# Allegro board MK60_PACK_V20A.brd
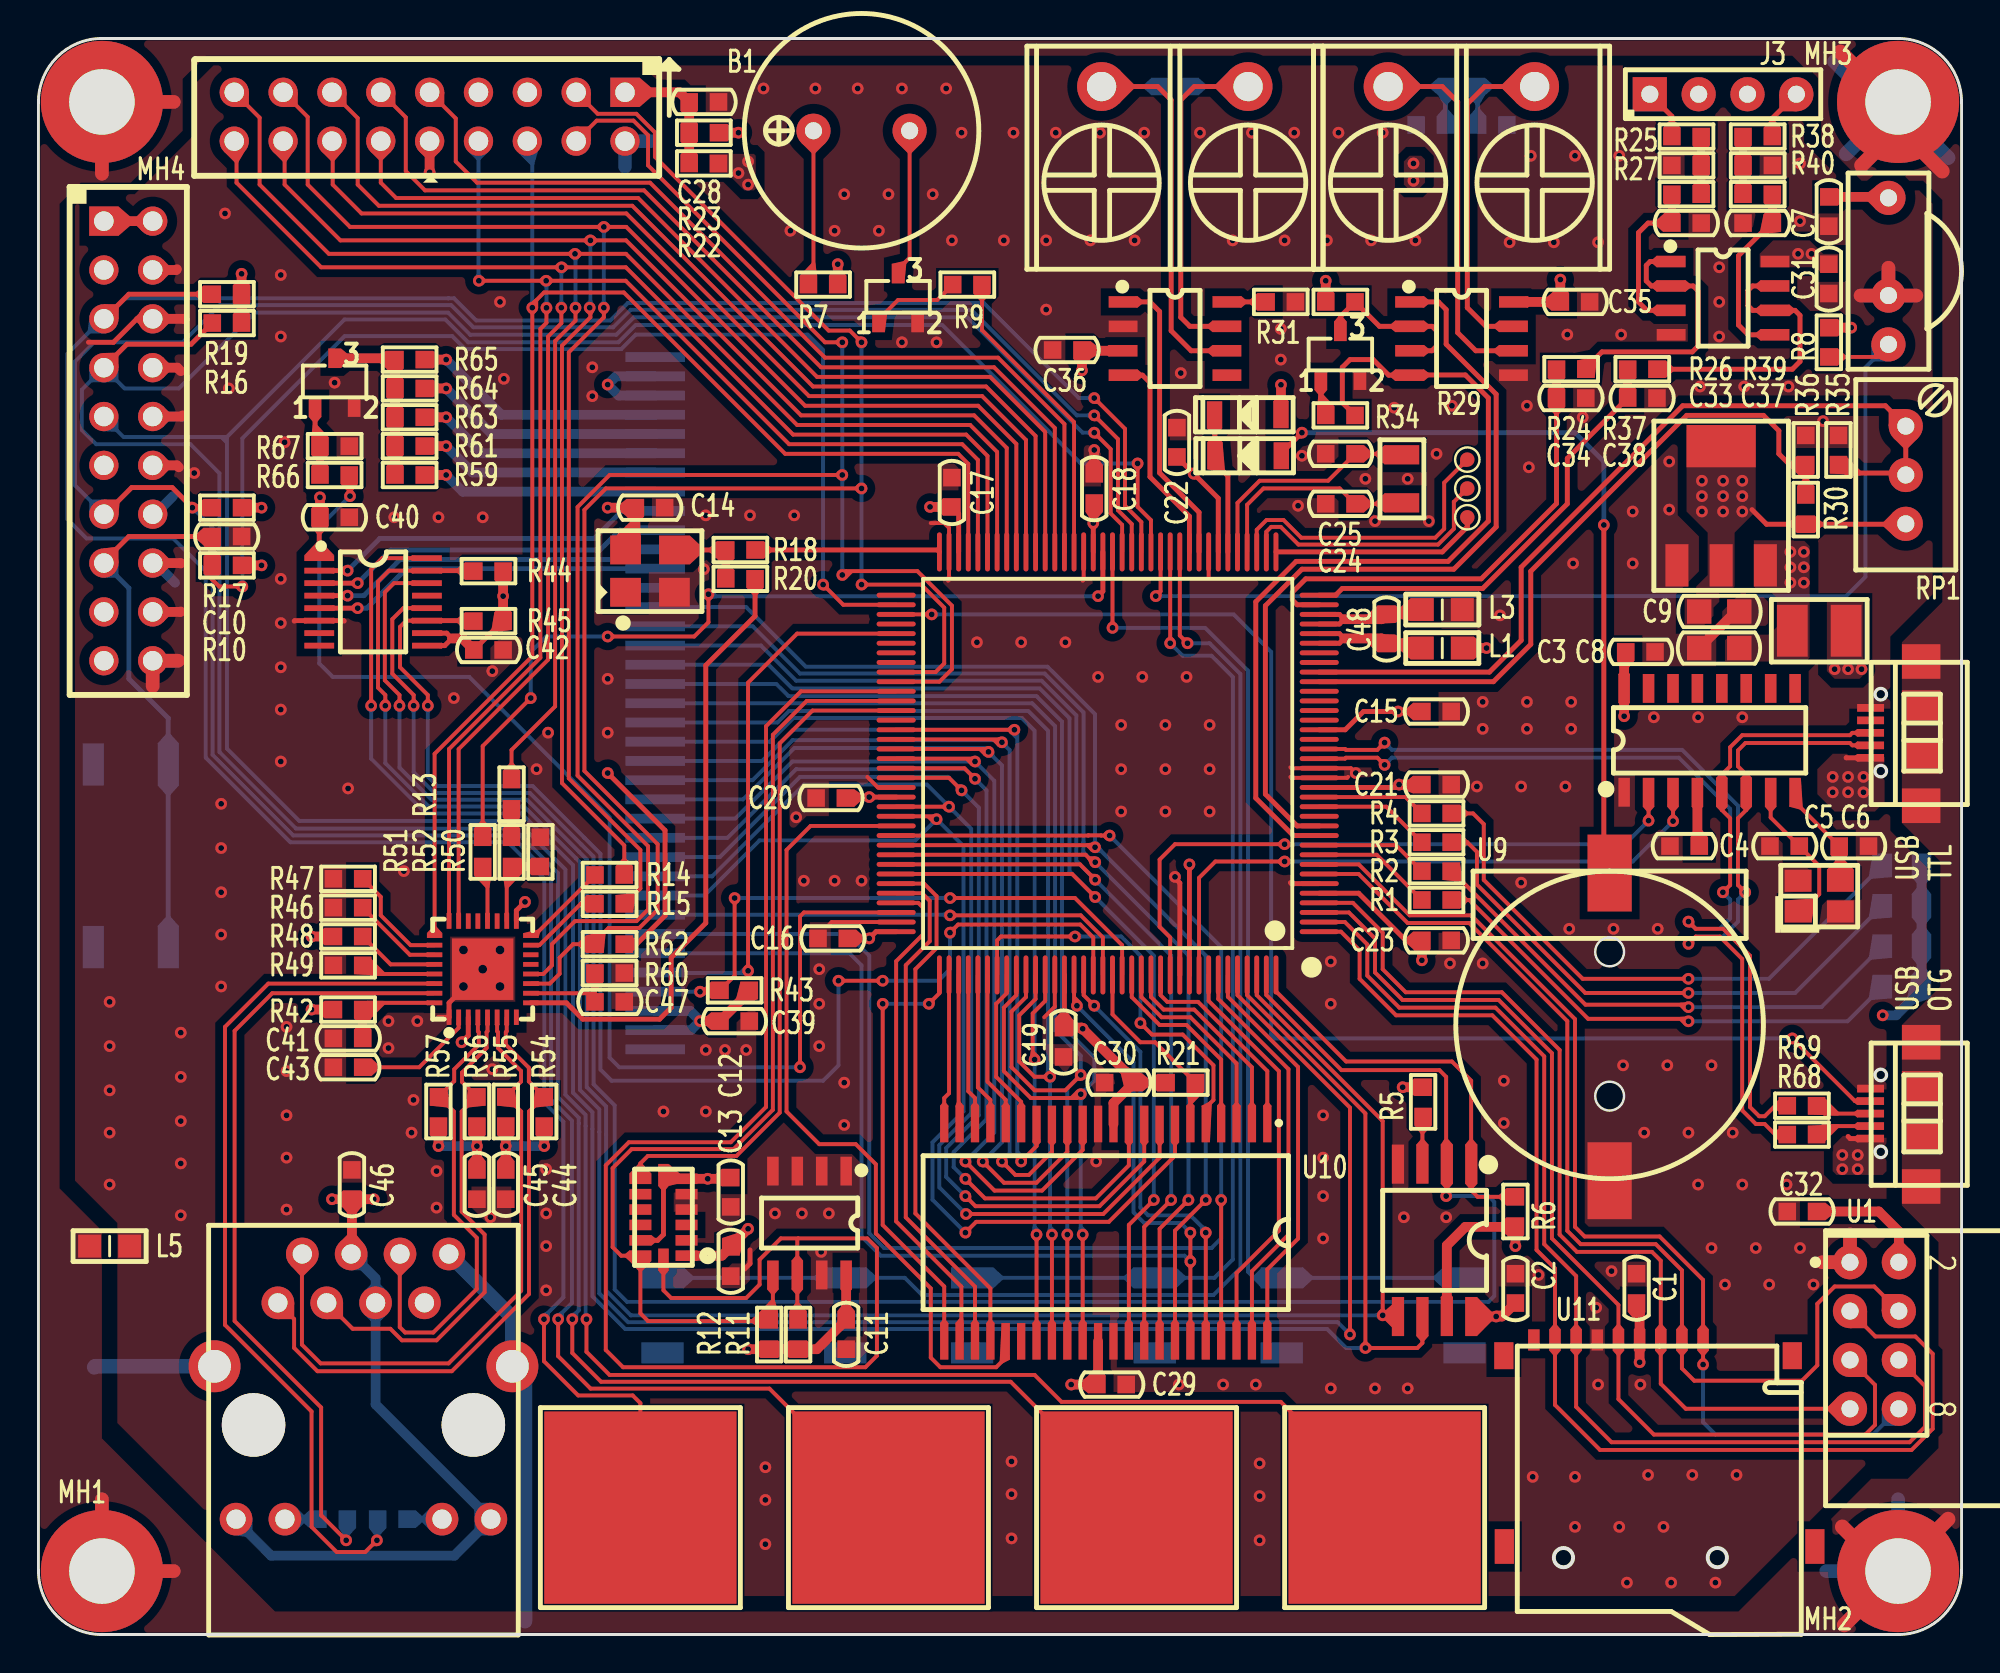
[diagram p0: board, top side]
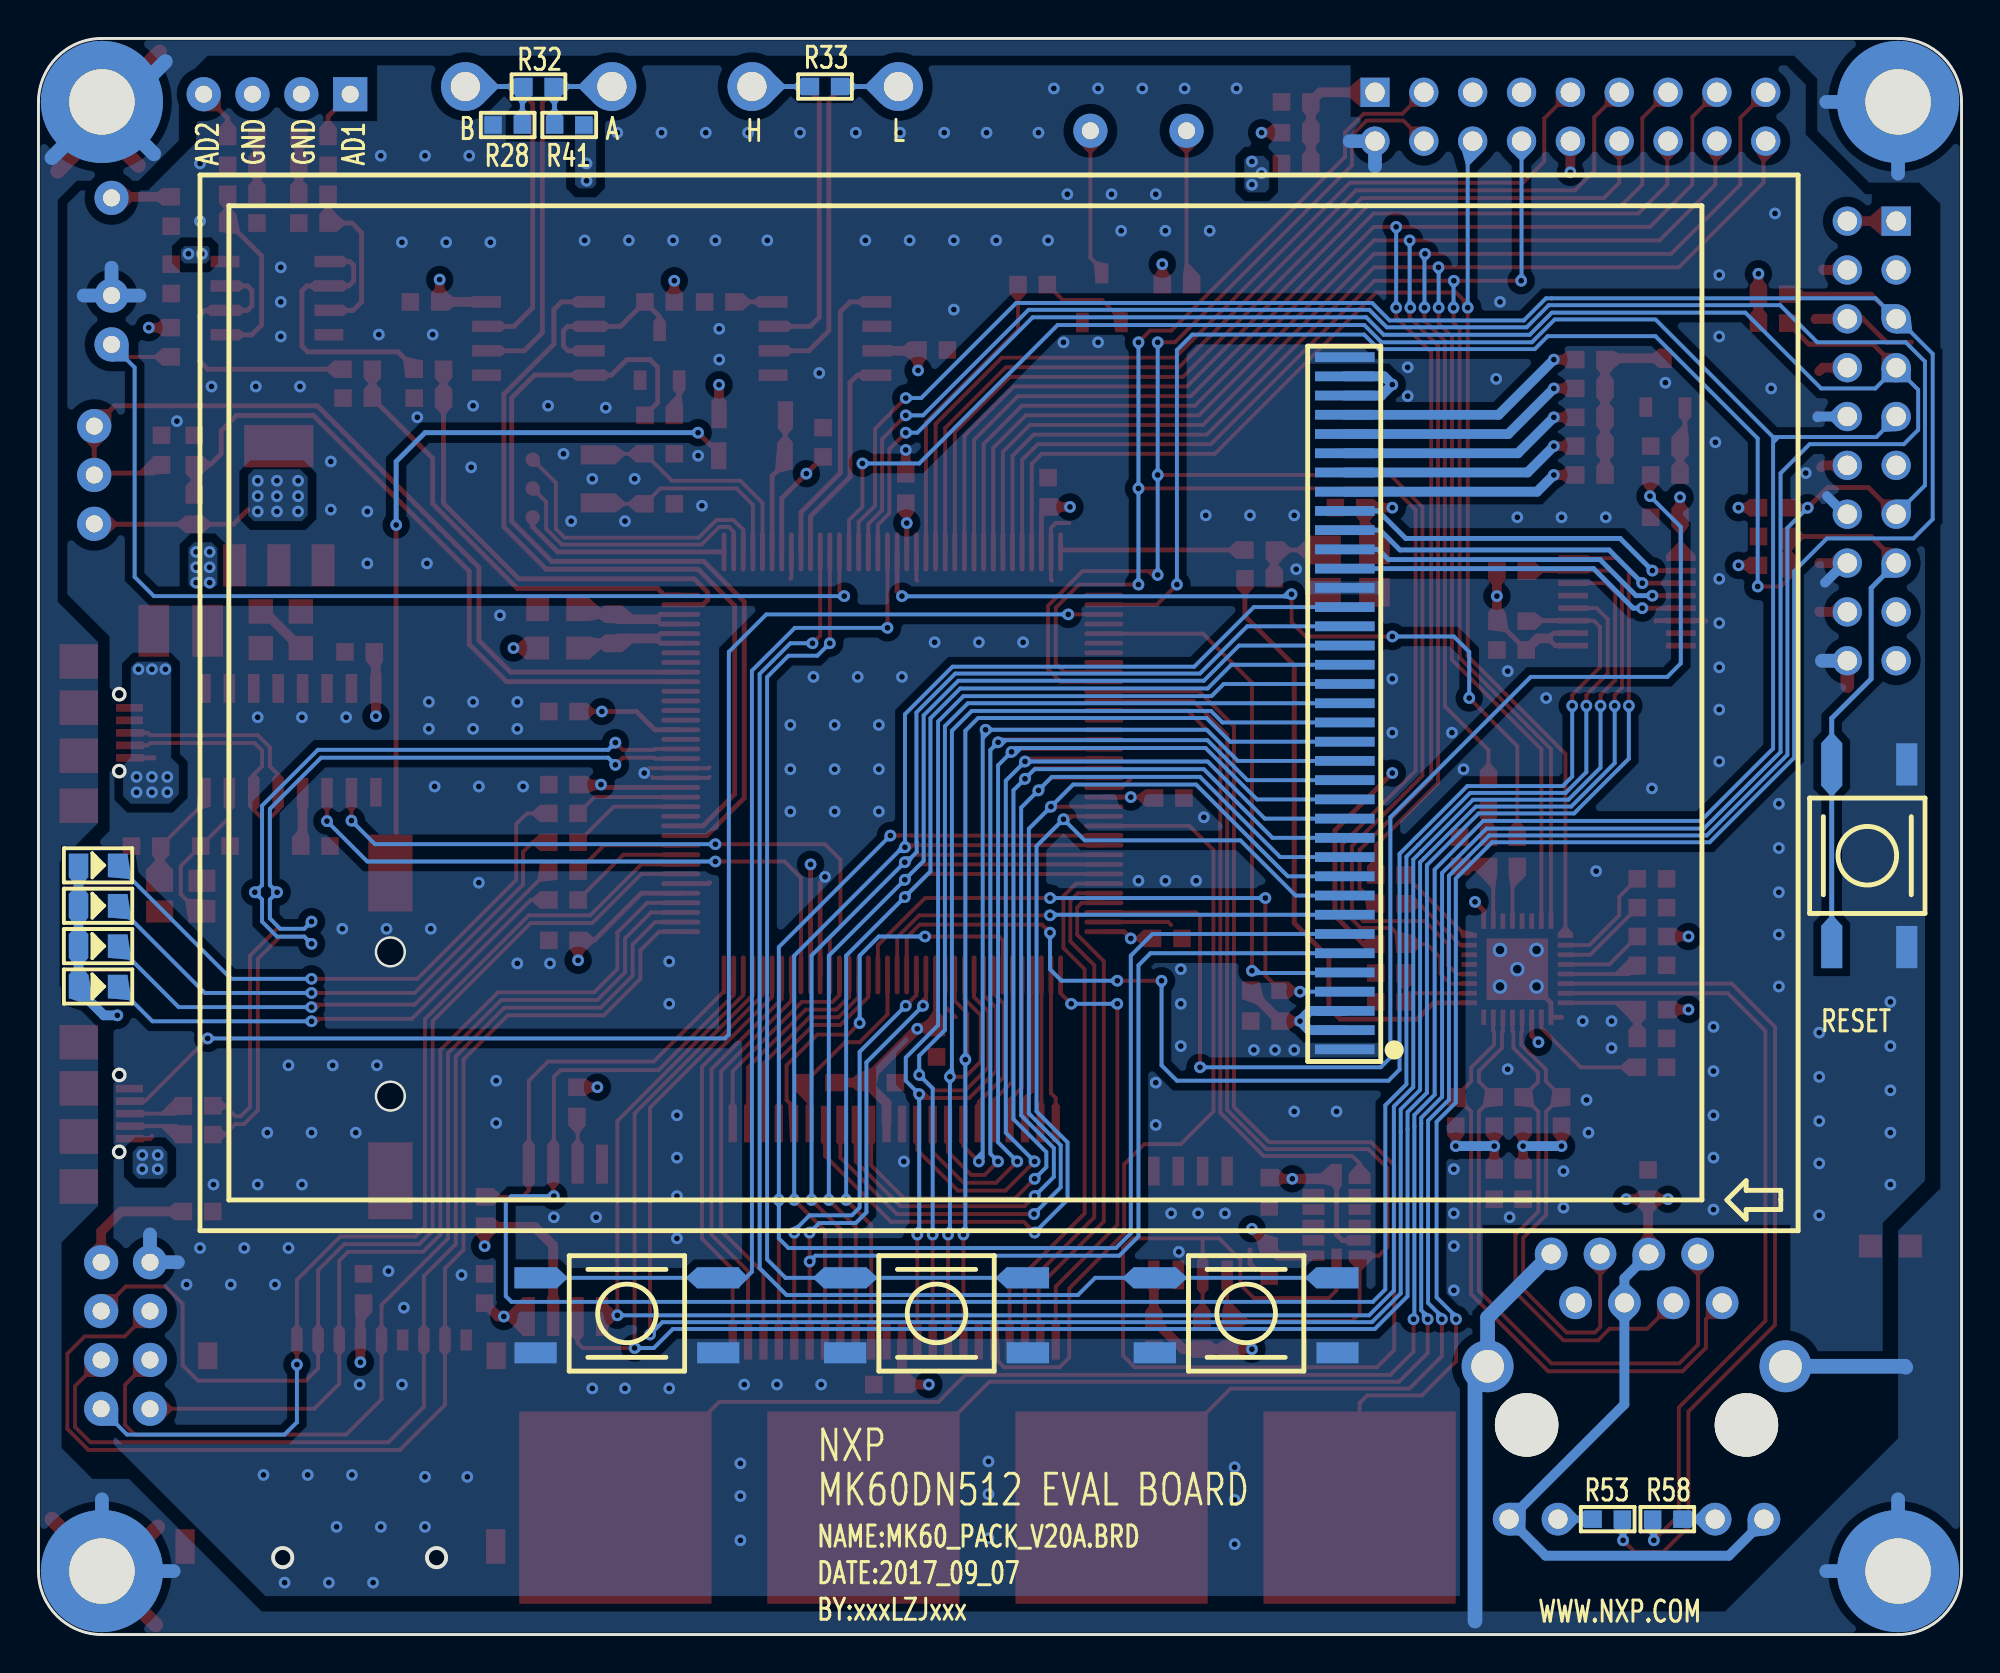
[diagram p1: board, bottom side, seen from below]

Outline 100 x 83 mm; copper layers: TOP, GND, POWER, BOTTOM. Coordinates in mm from the lower left corner of the outline.
Outline path: 0,79.7 0,3.3 arc(0.97,0.97) 3.3,0 96.7,0 arc(99.03,0.97) 100,3.3 100,79.7 arc(99.03,82.03) 96.7,83 3.3,83 arc(0.97,82.03) 0,79.7

## Design rules (mm)
net group DP1: nets RX+ RX-
net group DP2: nets TX+ TX-
net group DP3: nets USB0_DM USB0_DP

## Placement (name value [footprint] x y rotation side)
B1  -  [PS1240P02BT]  40.3 78.2 0 top
C1  0.1uF_50V  [CC0603]  83.1 18 90 top
C2  0.1uF_50V  [CC0603]  76.8 18 270 top
C3  0.1uF_50V  [CC0603]  83.3 51.1 0 top
C4  0.1uF_50V  [CC0603]  85.6 41 180 top
C5  12pF_50V  [CC0603]  90.8 41 0 top
C6  12pF_50V  [CC0603]  94.4 41 180 top
C7  0.1uF_50V  [CC0603]  93.1 74 270 top
C8  10uF_25V  [CC0805]  87.4 51.3 180 top
C9  10uF_25V  [CC0805]  87.4 53.2 0 top
C10  0.1uF_50V  [CC0603]  9.8 57.1 180 top
C11  0.1uF_50V  [CC0603]  42 15.6 90 top
C12  0.1uF_50V  [CC0603]  36 23 90 top
C13  0.1uF_50V  [CC0603]  36 19.4 90 top
C14  0.1uF_50V  [CC0603]  31.8 58.6 180 top
C15  0.1uF_50V  [CC0603]  72.7 48 180 top
C16  0.1uF_50V  [CC0603]  41.3 36.2 0 top
C17  0.1uF_50V  [CC0603]  47.5 59.4 270 top
C18  0.1uF_50V  [CC0603]  54.9 59.6 270 top
C19  0.1uF_50V  [CC0603]  53.3 30.8 90 top
C20  0.1uF_50V  [CC0603]  41.2 43.5 0 top
C21  0.1uF_50V  [CC0603]  72.7 44.2 180 top
C22  0.1uF_50V  [CC0603]  59.2 62 270 top
C23  0.1uF_50V  [CC0603]  72.7 36.1 180 top
C24  12pF_50V  [CC0603]  67.7 58.8 0 top
C25  12pF_50V  [CC0603]  67.7 61.4 0 top
C28  0.1uF_50V  [CC0603]  34.6 79.7 0 top
C29  0.1uF_50V  [CC0603]  55.8 13 0 top
C30  0.1uF_50V  [CC0603]  56.2 28.7 180 top
C31  0.1uF_50V  [CC0603]  93.1 70.5 270 top
C32  0.1uF_50V  [CC0603]  91.7 22 0 top
C33  0.1uF_50V  [CC0603]  85.7 73.4 180 top
C34  0.1uF_50V  [CC0603]  79.7 64.3 180 top
C35  0.1uF_50V  [CC0603]  79.9 69.3 0 top
C36  0.1uF_50V  [CC0603]  53.5 66.8 180 top
C37  0.1uF_50V  [CC0603]  89.4 73.4 0 top
C38  0.1uF_50V  [CC0603]  83.4 64.3 180 top
C39  0.1uF_50V  [CC0603]  36.2 31.9 180 top
C40  0.1uF_50V  [CC0603]  15.4 58.1 180 top
C41  0.1uF_50V  [CC0603]  16.1 31 0 top
C42  0.1uF_50V  [CC0603]  23.4 51.2 0 top
C43  0.1uF_50V  [CC0603]  16.1 29.5 180 top
C44  0.1uF_50V  [CC0603]  24.3 23.4 90 top
C45  0.1uF_50V  [CC0603]  22.8 23.4 90 top
C46  0.1uF_50V  [CC0603]  16.3 23.4 270 top
C47  0.1uF_50V  [CC0603]  29.7 32.9 0 top
C48  0.1uF_50V  [CC0603]  70.1 52.3 270 top
D1  LED_GREEN  [LED0805]  96.9 33.7 180 bottom
D2  LED_GREEN  [LED0805]  96.9 35.8 180 bottom
D3  LED_GREEN  [LED0805]  96.9 37.9 180 bottom
D4  LED_GREEN  [LED0805]  96.9 40 180 bottom
D5  1N4148W-TP  [SOD-123]  64.5 61.3 180 top
D6  1N4148W-TP  [SOD-123]  64.48 63.43 180 top
F1  SMD1210-6V2A  [SMD-1210]  92.6 52.2 180 top
J1  -  [HEADER10X2_2R54]  3.4 73.5 270 top
J2  OV7620  [OV2640]  30.5 80.2 180 top
J3  -  [HEADER4X1_2R54]  87.6 80.1 0 top
J4  -  [KF7R62-2P]  77.8 80.5 180 top
J5  -  [KF7R62-2P]  62.9 80.5 180 top
J6  -  [HR911105A]  16.9 10.9 180 top
L1  BEAD_GZ2012D102TF  [LC0805]  73 51.3 180 top
L3  BEAD_GZ2012D102TF  [LC0805]  73 53.3 180 top
L5  BEAD_BLM21PG600  [LC0805]  3.7 20.2 180 top
MH1  HOLD-M3  [HOLD250D134]  3.3 3.3 0 top
MH2  HOLD-M3  [HOLD250D134]  96.7 3.3 0 top
MH3  HOLD-M3  [HOLD250D134]  96.7 79.7 0 top
MH4  HOLD-M3  [HOLD250D134]  3.3 79.7 0 top
NOREF  -  []  0 0 90 top
NOREF#2  -  []  0 0 0 top
NOREF#3  -  []  0 0 0 top
NOREF#4  -  []  0 0 90 top
NOREF#5  -  []  0 0 0 top
NOREF#6  -  []  0 0 90 top
Q1  S9013LT1  [SOT23_123]  44.7 69.5 0 top
Q2  S9013LT1  [SOT23_123]  67.7 66.5 0 top
Q3  S8050  [SOT23_123]  15.4 65.1 0 top
R1  1K  [RC0603]  72.7 38.2 0 top
R2  1K  [RC0603]  72.7 39.7 0 top
R3  1K  [RC0603]  72.7 41.2 0 top
R4  1K  [RC0603]  72.7 42.7 0 top
R5  10K  [RC0603]  72 27.7 270 top
R6  10K  [RC0603]  76.8 22 90 top
R7  100R  [RC0603]  40.8 70.2 0 top
R8  4.7K  [RC0603]  93.1 67.2 270 top
R9  1K  [RC0603]  48.3 70.2 180 top
R10  10K  [RC0603]  9.8 55.6 180 top
R11  4.7K  [RC0603]  39.5 15.6 270 top
R12  4.7K  [RC0603]  38 15.6 270 top
R13  0R  [RC0603]  24.6 43.7 90 top
R14  0R  [RC0603]  29.7 39.5 0 top
R15  0R  [RC0603]  29.7 38 0 top
R16  10K  [RC0603]  9.8 68.2 0 top
R17  10K  [RC0603]  9.8 58.6 0 top
R18  33R  [RC0603]  36.5 56.4 0 top
R19  10K  [RC0603]  9.8 69.7 0 top
R20  33R  [RC0603]  36.5 54.9 0 top
R21  4.7K  [RC0603]  59.4 28.7 0 top
R22  0R  [RC0603]  34.6 76.5 0 top
R23  0R/NI  [RC0603]  34.6 78.1 0 top
R24  10K  [RC0603]  79.7 65.8 180 top
R25  4.7K  [RC0603]  85.7 77.9 0 top
R26  4.7K  [RC0603]  85.7 74.9 180 top
R27  4.7K  [RC0603]  85.7 76.4 180 top
R28  1K  [RC0603]  75.6 78.5 180 bottom
R29  4.7K  [RC0603]  67.7 69.3 0 top
R30  4.7K  [RC0603]  91.9 58.5 270 top
R31  10K  [RC0603]  64.6 69.3 180 top
R32  120R  [RC0603]  74 80.5 180 bottom
R33  120R  [RC0603]  59.1 80.5 180 bottom
R34  330R  [RC0603]  67.7 63.4 180 top
R35  4.7K  [RC0603]  93.6 61.6 270 top
R36  4.7K  [RC0603]  91.9 61.6 270 top
R37  10K  [RC0603]  83.4 65.8 180 top
R38  4.7K  [RC0603]  89.4 77.9 180 top
R39  4.7K  [RC0603]  89.4 74.9 0 top
R40  4.7K  [RC0603]  89.4 76.4 0 top
R41  1K  [RC0603]  72.4 78.5 180 bottom
R42  10K  [RC0603]  16.1 32.5 0 top
R43  100K  [RC0603]  36.2 33.5 180 top
R44  100K  [RC0603]  23.4 55.3 180 top
R45  100K  [RC0603]  23.4 52.7 180 top
R46  4.7K  [RC0603]  16.1 37.8 0 top
R47  4.7K  [RC0603]  16.1 39.3 0 top
R48  4.7K  [RC0603]  16.1 36.3 180 top
R49  4.7K  [RC0603]  16.1 34.8 180 top
R50  4.7K  [RC0603]  26.1 40.7 90 top
R51  33R  [RC0603]  23.1 40.7 270 top
R52  33R  [RC0603]  24.6 40.7 270 top
R53  330R  [RC0603]  18.4 6 0 bottom
R54  4.7K  [RC0603]  26.3 27.2 270 top
R55  4.7K  [RC0603]  24.3 27.2 270 top
R56  4.7K  [RC0603]  22.8 27.2 270 top
R57  4.7K  [RC0603]  20.8 27.2 270 top
R58  330R  [RC0603]  15.3 6 180 bottom
R59  100R  [RC0603]  19.3 60.3 180 top
R60  6.49K  [RC0603]  29.7 34.4 0 top
R61  100R  [RC0603]  19.3 61.8 180 top
R62  4.7K  [RC0603]  29.7 35.9 180 top
R63  100R  [RC0603]  19.3 63.3 180 top
R64  100R  [RC0603]  19.3 64.8 180 top
R65  100R  [RC0603]  19.3 66.3 180 top
R66  4.7K  [RC0603]  15.4 60.3 180 top
R67  100K  [RC0603]  15.4 61.8 180 top
R68  20R  [RC0603]  91.7 26 0 top
R69  20R  [RC0603]  91.7 27.5 0 top
RP1  M64W104KB40  [VISHAY_RES_VAR_64W]  97.1 60.3 90 top
SW1  KEY  [SW-6X6X6-SMD]  37.2 16.7 270 bottom
SW2  KEY  [SW-6X6X6-SMD]  53.3 16.7 270 bottom
SW3  KEY  [SW-6X6X6-SMD]  69.4 16.7 270 bottom
SW4  KEY  [SW-6X6X6-SMD]  4.9 40.5 180 bottom
T1  TouchPad  [TOUCHPAD]  70 6.6 0 top
T2  TouchPad  [TOUCHPAD]  57.1 6.6 0 top
T3  TouchPad  [TOUCHPAD]  44.2 6.6 0 top
T4  TouchPad  [TOUCHPAD]  31.3 6.6 0 top
TP1  TestPoint  [TP-0R75]  74.3 58.1 0 top
TP2  TestPoint  [TP-0R75]  74.3 59.6 0 top
TP3  TestPoint  [TP-0R75]  74.3 61.1 0 top
U1  -  [NRF24L01PACK]  105.3 13.9 270 top
U2  W25Q128FVSIG  [SOIC-8_208]  72.6 20.5 180 top
U3  CH340G  [SOIC16]  86.9 46.5 0 top
U4  MK60DN512VLQ10  [LQFP-144]  55.6 45.3 180 top
U5  -  [HS0038]  96.2 70.9 90 top
U6  AMS1117-3.3  [SOT-223]  87.5 58.7 0 top
U7  ADXL345BCCZ-RL7  [LGA-14]  33.7 19.7 180 top
U8  AT24C02C-SSHM-T  [SOIC8]  40.1 21.4 180 top
U9  BATTERY_CR1220  [CR1220]  81.7 31.6 90 top
U10  IS61LV25616AL-10TL  [TSOP-44]  55.5 20.9 270 top
U11  -  [TFCARD]  84.3 15 0 top
U12  LM2904VQDR  [SOIC8]  87.6 69.5 270 top
U13  MAX3485EESA  [SOIC8]  74 67.4 270 top
U14  TJA1050T/CM  [SOIC8]  59.1 67.4 270 top
U15  -  [TFT-3R5]  8.6 21.1 90 bottom
U16  XPT2046  [TSSOP-16]  17.4 53.7 270 top
U17  KSZ8041NLI  [MLF-32]  23.1 34.6 90 top
USB1  -  [USB-MICRO]  95.2 27.1 90 top
USB2  -  [USB-MICRO]  95.2 46.9 90 top
Y1  X322512MOB4SI  [X-4P-3R2X2R5-SMD]  92.6 38.4 0 top
Y2  SG5032CAN-50M-TJGA  [X-4P-5R0X3R2-SMD]  31.8 55.3 0 top
Y3  FC-135R32.768kHz  [X-2P-3R2X1R5-SMD]  70.9 60.1 270 top

## Library data of the parts
B1 = BEEP_HC12085P
C1-C7 C10-C23 C28-C38 C41 C43-C48 = CAP NP_2
C8 C9 = C_Generic
C24 C25 C39 C40 C42 = CAP NP
D1-D4 = LED_0
D5 D6 = DIODE13_7
F1 = FUSE
J1 = CON20_0
J2 = CONN RCPT 9x2
J3 = CONN RCPT 4
J4 J5 = CONN RCPT 2
J6 = HR911105A
L1 L3 = IND_BEAD_0805_600OHM_1
L5 = IND_BEAD_0805_600OHM_200MA
MH1-MH4 = Hold_1
Q1 Q2 = L14G1/TO_2
Q3 = L14G1/TO_1
R1-R69 = R_Generic
RP1 = RESISTOR VAR_0
SW1-SW4 = SWITCH-SPST-4P
T1-T4 = TouchPad
TP1-TP3 = TestPoint
U1 = NRF24L01PACK
U2 = CEIT_C5000_0
U3 = CH340G
U4 = K60
U5 = HS0038
U6 = AMS1117-3.3
U7 = ADXL345_0
U8 = AT24C512
U9 = BATTERY
U10 = IS61LV25626
U11 = TFCARD_1
U12 = LM2904VQDR
U13 = MAX3485ESA_0
U14 = TJA1050
U15 = TFT-3R2
U16 = XPT2046
U17 = KSZ8041NL
USB1 USB2 = USB-MICRO
Y1 = X322525MOB4SI
Y2 = SMD_OSC_3
Y3 = XTAL_5032_0

## Footprints (pads in the part's own frame, mm; a bottom-side part is the same pattern mirrored in y, then rotated)
CC0603
  rect 0.914x0.914 smd: 1(-0.762,0) 2(0.762,0)
CC0805
  rect 1.27x1.27 smd: 1(-1.041,0) 2(1.041,0)
CR1220
  rect 4x2.3 smd: 1(8,0) 2(-8,0)
HEADER4X1_2R54
  rect 1.778x1.778 hole 0.889: 1(-3.81,0)
  round 1.778 hole 0.889: 2(-1.27,0) 3(1.27,0) 4(3.81,0)
HEADER10X2_2R54
  rect 1.524x1.524 hole 1.016: 1(0,0)
  round 1.524 hole 1.016: 2(0,2.54) 3(2.54,0) 4(2.54,2.54) 5(5.08,0) 6(5.08,2.54) 7(7.62,0) 8(7.62,2.54) 9(10.16,0) 10(10.16,2.54) 11(12.7,0) 12(12.7,2.54) 13(15.24,0) 14(15.24,2.54) 15(17.78,0) 16(17.78,2.54) 17(20.32,0) 18(20.32,2.54) 19(22.86,0) 20(22.86,2.54)
HOLD250D134
  round 6.35 hole 3.404: 1(0,0)
HR911105A
  round 3.3 hole 3.3 unplated: (-5.715,0) (5.715,0)
  round 1.699 hole 1.001: 1(4.45,-6.35) 2(3.18,-8.89) 3(1.91,-6.35) 4(0.64,-8.89) 5(-0.63,-6.35) 6(-1.9,-8.89) 7(-3.17,-6.35) 8(-4.44,-8.89) 9(6.625,4.9) 10(4.085,4.9) 11(-4.085,4.9) 12(-6.625,4.9)
  round 2.7 hole 1.7: 13(7.745,-3.05) 14(-7.745,-3.05)
HS0038
  round 1.778 hole 0.889: 1(-3.81,0) 2(-1.27,0) 3(3.81,0)
KF7R62-2P
  round 2.54 hole 1.524: 1(0,0) 2(7.62,0)
LC0805
  rect 1.194x1.194 smd: 1(-1.041,0) 2(1.041,0)
LED0805
  rect 1.016x1.219 smd: 1(-1.016,0) 2(1.016,0)
LGA-14
  rect 1.145x0.55 smd: 1(0,0) 2(0,-0.8) 3(0,-1.6) 4(0,-2.4) 5(0,-3.2) 6(0,-4) 8(2.4,-4) 9(2.4,-3.2) 10(2.4,-2.4) 11(2.4,-1.6) 12(2.4,-0.8) 13(2.4,0)
  rect 0.55x1.145 smd: 7(1.2,-4.2) 14(1.2,0.2)
LQFP-144
  oval 2.032x0.254 smd: 1(-11,8.75) 2(-11,8.25) 3(-11,7.75) 4(-11,7.25) 5(-11,6.75) 6(-11,6.25) 7(-11,5.75) 8(-11,5.25) 9(-11,4.75) 10(-11,4.25) 11(-11,3.75) 12(-11,3.25) 13(-11,2.75) 14(-11,2.25) 15(-11,1.75) 16(-11,1.25) 17(-11,0.75) 18(-11,0.25) 19(-11,-0.25) 20(-11,-0.75) 21(-11,-1.25) 22(-11,-1.75) 23(-11,-2.25) 24(-11,-2.75) 25(-11,-3.25) 26(-11,-3.75) 27(-11,-4.25) 28(-11,-4.75) 29(-11,-5.25) 30(-11,-5.75) 31(-11,-6.25) 32(-11,-6.75) 33(-11,-7.25) 34(-11,-7.75) 35(-11,-8.25) 36(-11,-8.75) 73(11,-8.75) 74(11,-8.25) 75(11,-7.75) 76(11,-7.25) 77(11,-6.75) 78(11,-6.25) 79(11,-5.75) 80(11,-5.25) 81(11,-4.75) 82(11,-4.25) 83(11,-3.75) 84(11,-3.25) 85(11,-2.75) 86(11,-2.25) 87(11,-1.75) 88(11,-1.25) 89(11,-0.75) 90(11,-0.25) 91(11,0.25) 92(11,0.75) 93(11,1.25) 94(11,1.75) 95(11,2.25) 96(11,2.75) 97(11,3.25) 98(11,3.75) 99(11,4.25) 100(11,4.75) 101(11,5.25) 102(11,5.75) 103(11,6.25) 104(11,6.75) 105(11,7.25) 106(11,7.75) 107(11,8.25) 108(11,8.75)
  oval 0.254x2.032 smd: 37(-8.75,-11) 38(-8.25,-11) 39(-7.75,-11) 40(-7.25,-11) 41(-6.75,-11) 42(-6.25,-11) 43(-5.75,-11) 44(-5.25,-11) 45(-4.75,-11) 46(-4.25,-11) 47(-3.75,-11) 48(-3.25,-11) 49(-2.75,-11) 50(-2.25,-11) 51(-1.75,-11) 52(-1.25,-11) 53(-0.75,-11) 54(-0.25,-11) 55(0.25,-11) 56(0.75,-11) 57(1.25,-11) 58(1.75,-11) 59(2.25,-11) 60(2.75,-11) 61(3.25,-11) 62(3.75,-11) 63(4.25,-11) 64(4.75,-11) 65(5.25,-11) 66(5.75,-11) 67(6.25,-11) 68(6.75,-11) 69(7.25,-11) 70(7.75,-11) 71(8.25,-11) 72(8.75,-11) 109(8.75,11) 110(8.25,11) 111(7.75,11) 112(7.25,11) 113(6.75,11) 114(6.25,11) 115(5.75,11) 116(5.25,11) 117(4.75,11) 118(4.25,11) 119(3.75,11) 120(3.25,11) 121(2.75,11) 122(2.25,11) 123(1.75,11) 124(1.25,11) 125(0.75,11) 126(0.25,11) 127(-0.25,11) 128(-0.75,11) 129(-1.25,11) 130(-1.75,11) 131(-2.25,11) 132(-2.75,11) 133(-3.25,11) 134(-3.75,11) 135(-4.25,11) 136(-4.75,11) 137(-5.25,11) 138(-5.75,11) 139(-6.25,11) 140(-6.75,11) 141(-7.25,11) 142(-7.75,11) 143(-8.25,11) 144(-8.75,11)
MLF-32
  rect 0.8x0.25 smd: 1(-2.5,1.75) 2(-2.5,1.25) 3(-2.5,0.75) 4(-2.5,0.25) 5(-2.5,-0.25) 6(-2.5,-0.75) 7(-2.5,-1.25) 8(-2.5,-1.75) 17(2.5,-1.75) 18(2.5,-1.25) 19(2.5,-0.75) 20(2.5,-0.25) 21(2.5,0.25) 22(2.5,0.75) 23(2.5,1.25) 24(2.5,1.75)
  rect 0.25x0.8 smd: 9(-1.75,-2.5) 10(-1.25,-2.5) 11(-0.75,-2.5) 12(-0.25,-2.5) 13(0.25,-2.5) 14(0.75,-2.5) 15(1.25,-2.5) 16(1.75,-2.5) 25(1.75,2.5) 26(1.25,2.5) 27(0.75,2.5) 28(0.25,2.5) 29(-0.25,2.5) 30(-0.75,2.5) 31(-1.25,2.5) 32(-1.75,2.5)
  rect 3.2x3.2 smd: 33(0,0)
NRF24L01PACK
  round 1.778 hole 0.889: 1(-5.46,-11.1) 2(-5.46,-8.56) 3(-2.92,-11.1) 4(-2.92,-8.56) 5(-0.38,-11.1) 6(-0.38,-8.56) 7(2.16,-11.1) 8(2.16,-8.56)
OV2640
  rect 1.524x1.524 hole 1.016: 1(0,0)
  round 1.524 hole 1.016: 2(0,2.54) 3(2.54,0) 4(2.54,2.54) 5(5.08,0) 6(5.08,2.54) 7(7.62,0) 8(7.62,2.54) 9(10.16,0) 10(10.16,2.54) 11(12.7,0) 12(12.7,2.54) 13(15.24,0) 14(15.24,2.54) 15(17.78,0) 16(17.78,2.54) 17(20.32,0) 18(20.32,2.54)
PS1240P02BT
  round 1.778 hole 0.889: 1(0,0) 2(5,0)
RC0603
  rect 0.914x0.914 smd: 1(-0.762,0) 2(0.762,0)
SMD-1210
  rect 1.6x2.7 smd: 1(-1.4,0) 2(1.4,0)
SOD-123
  rect 0.8x1.4 smd: 1(-0.127,0) 2(3.327,0)
SOIC8
  rect 0.6x1.5 smd: 1(-1.9,-2.7) 2(-0.63,-2.7) 3(0.64,-2.7) 4(1.91,-2.7) 5(1.91,2.7) 6(0.64,2.7) 7(-0.63,2.7) 8(-1.9,2.7)
SOIC16
  rect 0.6x1.5 smd: 1(-4.445,-2.7) 2(-3.175,-2.7) 3(-1.905,-2.7) 4(-0.635,-2.7) 5(0.635,-2.7) 6(1.905,-2.7) 7(3.175,-2.7) 8(4.445,-2.7) 9(4.445,2.7) 10(3.175,2.7) 11(1.905,2.7) 12(0.635,2.7) 13(-0.635,2.7) 14(-1.905,2.7) 15(-3.175,2.7) 16(-4.445,2.7)
SOIC-8_208
  rect 0.635x2.032 smd: 1(-1.905,-3.962) 2(-0.635,-3.962) 3(0.635,-3.962) 4(1.905,-3.962) 5(1.905,3.962) 6(0.635,3.962) 7(-0.635,3.962) 8(-1.905,3.962)
SOT23_123
  rect 0.66x1.016 smd: 1(-1.016,-1.27) 2(1.016,-1.27) 3(0,1.27)
SOT-223
  rect 1.2x2.2 smd: 1(-2.3,-3.1) 2(0,-3.1) 3(2.3,-3.1)
  rect 3.6x2.2 smd: 4(0,3.1)
SW-6X6X6-SMD
  rect 1.1x2.2 smd: 1(-1.85,4.75) 2(-1.85,-4.75) 3(2.05,-4.75) 4(2.05,4.75)
TFCARD
  rect 0.6x1.1 smd: 1(2.26,0.32) 2(1.16,0.32) 3(0.06,0.32) 4(-1.04,0.32) 5(-2.14,0.32) 6(-3.24,0.32) 7(-4.34,0.32) 8(-5.44,0.32) 9(-6.54,0.32)
  rect 1x1.4 smd: 10(-8.1,-0.5) 13(6.9,-0.5)
  rect 1x1.8 smd: 11(-8.074,-10.422) 12(8.074,-10.422)
TFT-3R5
  rect 0.508x3.099 smd: 1(9.33,23.47) 2(10.33,23.47) 3(11.33,23.47) 4(12.33,23.47) 5(13.33,23.47) 6(14.33,23.47) 7(15.33,23.47) 8(16.33,23.47) 9(17.33,23.47) 10(18.33,23.47) 11(19.33,23.47) 12(20.33,23.47) 13(21.33,23.47) 14(22.33,23.47) 15(23.33,23.47) 16(24.33,23.47) 17(25.33,23.47) 18(26.33,23.47) 19(27.33,23.47) 20(28.33,23.47) 21(29.33,23.47) 22(30.33,23.47) 23(31.33,23.47) 24(32.33,23.47) 25(33.33,23.47) 26(34.33,23.47) 27(35.33,23.47) 28(36.33,23.47) 29(37.33,23.47) 30(38.33,23.47) 31(39.33,23.47) 32(40.33,23.47) 33(41.33,23.47) 34(42.33,23.47) 35(43.33,23.47) 36(44.33,23.47) 37(45.33,23.47)
TOUCHPAD
  rect 10x10 smd: 1(0,0)
TP-0R75
  round 0.75 smd: 1(0,0)
TSOP-44
  rect 1.905x0.432 smd: 1(-5.65,8.4) 2(-5.65,7.6) 3(-5.65,6.8) 4(-5.65,6) 5(-5.65,5.2) 6(-5.65,4.4) 7(-5.65,3.6) 8(-5.65,2.8) 9(-5.65,2) 10(-5.65,1.2) 11(-5.65,0.4) 12(-5.65,-0.4) 13(-5.65,-1.2) 14(-5.65,-2) 15(-5.65,-2.8) 16(-5.65,-3.6) 17(-5.65,-4.4) 18(-5.65,-5.2) 19(-5.65,-6) 20(-5.65,-6.8) 21(-5.65,-7.6) 22(-5.65,-8.4) 23(5.65,-8.4) 24(5.65,-7.6) 25(5.65,-6.8) 26(5.65,-6) 27(5.65,-5.2) 28(5.65,-4.4) 29(5.65,-3.6) 30(5.65,-2.8) 31(5.65,-2) 32(5.65,-1.2) 33(5.65,-0.4) 34(5.65,0.4) 35(5.65,1.2) 36(5.65,2) 37(5.65,2.8) 38(5.65,3.6) 39(5.65,4.4) 40(5.65,5.2) 41(5.65,6) 42(5.65,6.8) 43(5.65,7.6) 44(5.65,8.4)
TSSOP-16
  rect 0.3x1.55 smd: 1(-2.275,-2.8) 2(-1.625,-2.8) 3(-0.975,-2.8) 4(-0.325,-2.8) 5(0.325,-2.8) 6(0.975,-2.8) 7(1.625,-2.8) 8(2.275,-2.8) 9(2.275,2.8) 10(1.625,2.8) 11(0.975,2.8) 12(0.325,2.8) 13(-0.325,2.8) 14(-0.975,2.8) 15(-1.625,2.8) 16(-2.275,2.8)
USB-MICRO
  rect 0.4x1.4 smd: 1(-1.31,-0.07) 2(-0.66,-0.07) 3(-0.01,-0.07) 4(0.64,-0.07) 5(1.29,-0.07)
  rect 1.8x2 smd: 6(-3.8,-2.7) 7(-1.2,-2.7) 8(1.3,-2.7) 9(3.7,-2.7)
VISHAY_RES_VAR_64W
  round 1.778 hole 0.889: 1(-2.54,0) 2(0,0) 3(2.54,0)
X-2P-3R2X1R5-SMD
  rect 1x1.8 smd: 1(-1.25,0) 2(1.25,0)
X-4P-3R2X2R5-SMD
  rect 1.4x1.15 smd: 1(-1.1,-0.8) 2(1.1,-0.8) 3(1.1,0.8) 4(-1.1,0.8)
X-4P-5R0X3R2-SMD
  rect 1.6x1.5 smd: 1(-1.27,-1.1) 2(1.27,-1.1) 3(1.27,1.1) 4(-1.27,1.1)
